# KiCad board artix-dc-scm.kicad_pcb (continued)
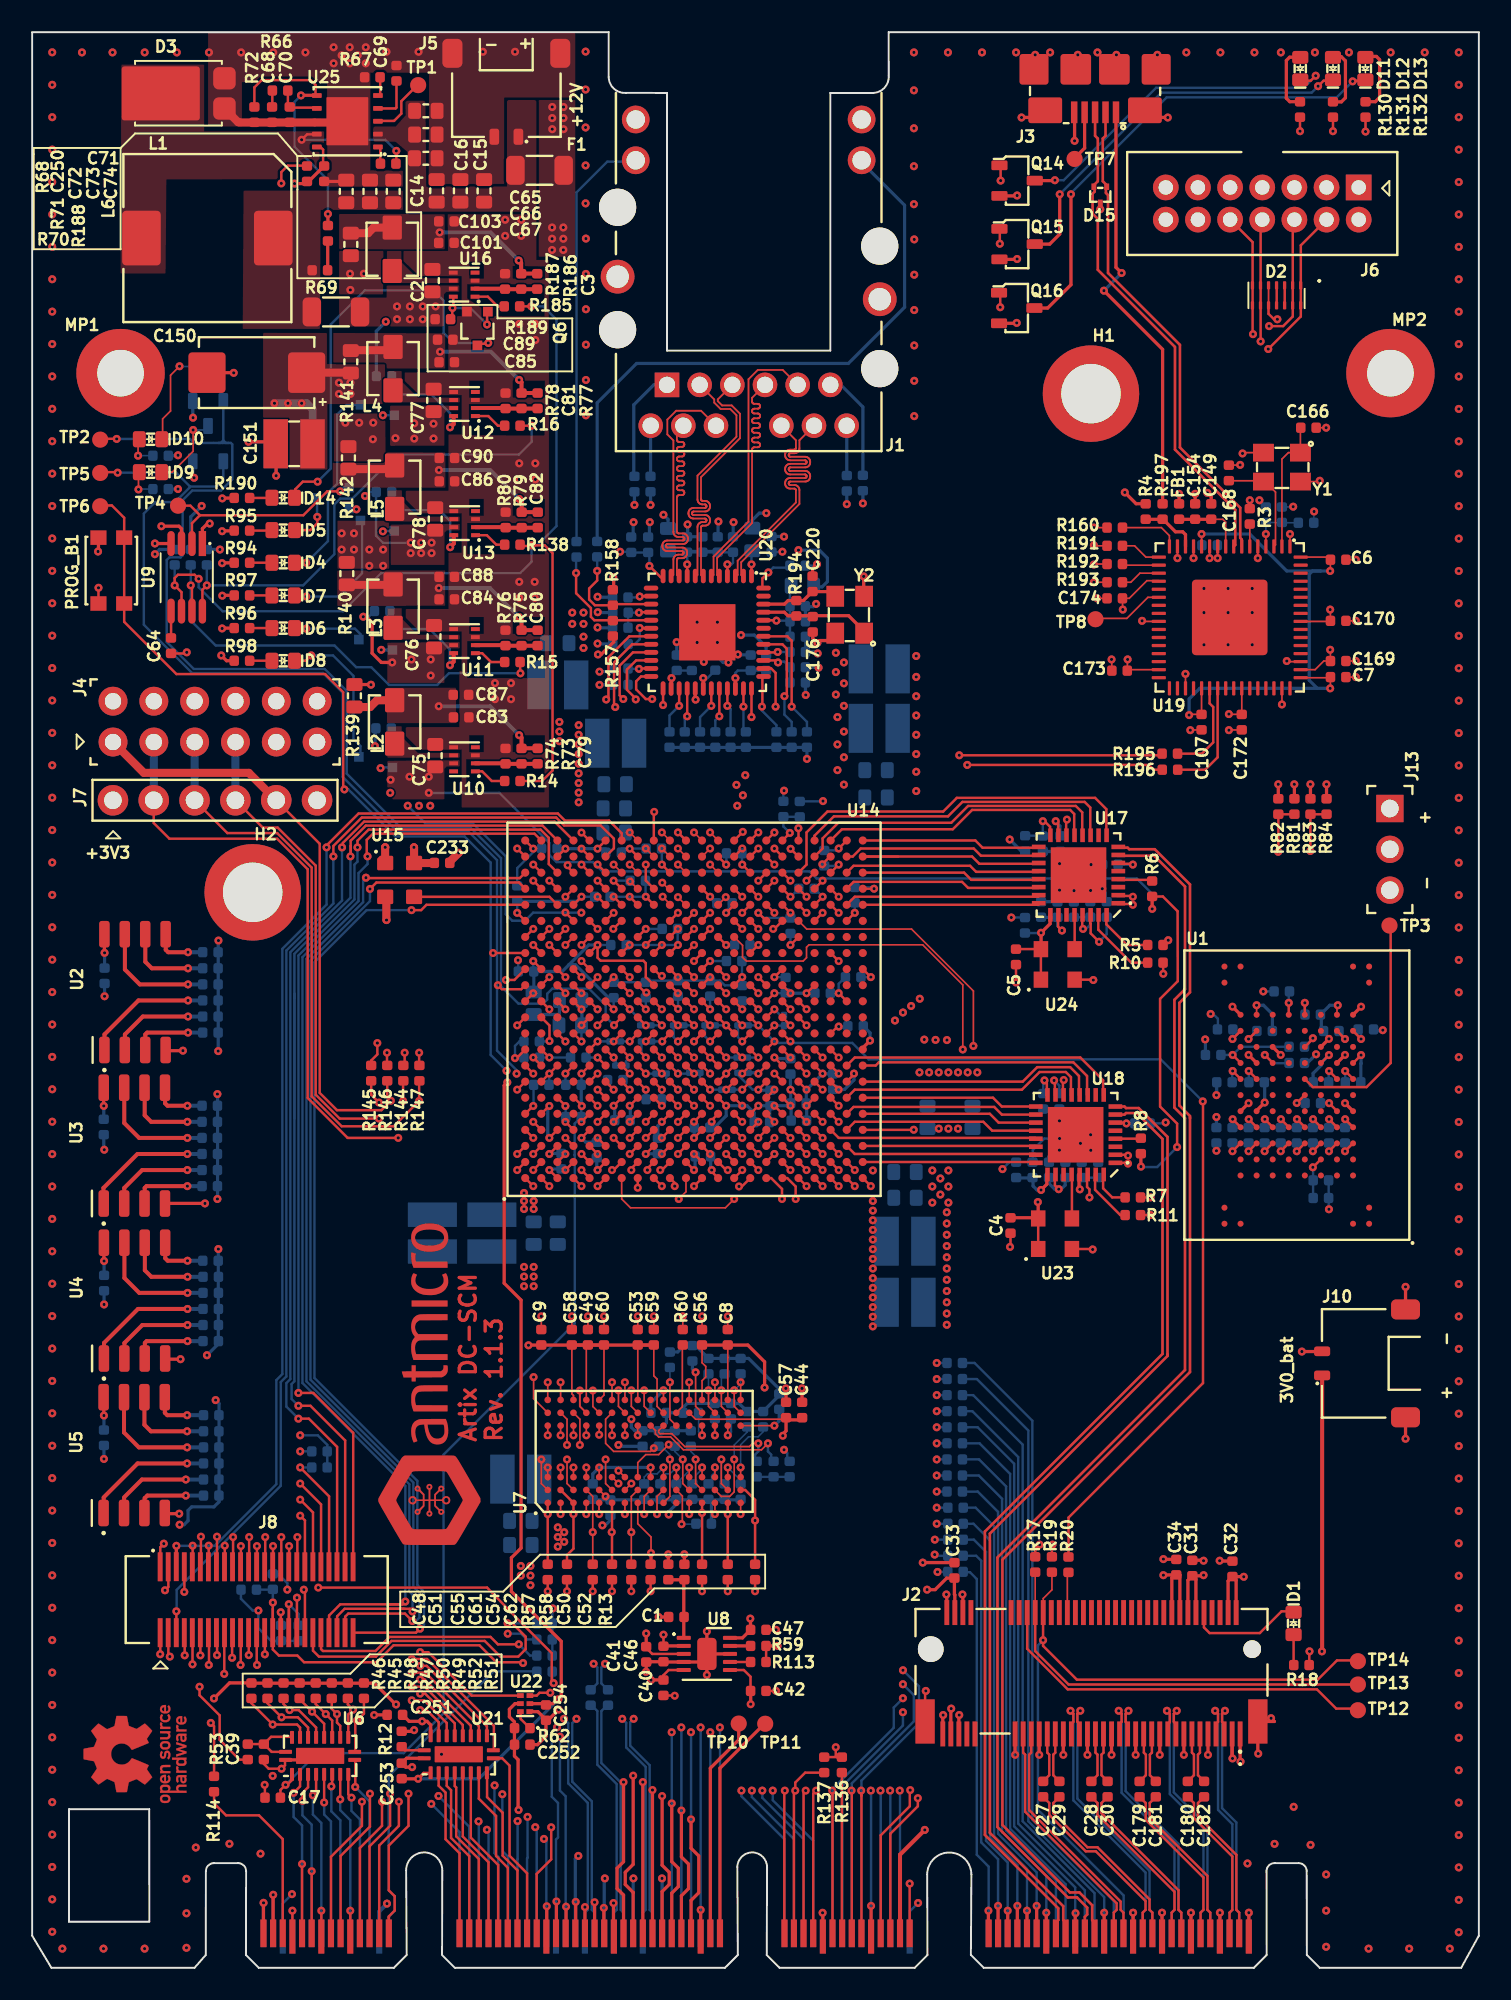
[diagram p0: board, top side]
## Routing (per net, layer and track width the routed paths; a pad name or vN(x,y) marks a point on that pad's centre or on a via; arc(x,y) is an arc through that point) (continued)
DDR3_A6: length 24.6
  Top w0.1: U7.R8 42.87,34.93 v2(42.87,35.93)
  Top w0.15: 42.68,51.12 v3(43.18,51.63)
  In2.Cu w0.1: v2(42.87,35.93) 42.87,36.52 43.08,36.72 43.08,39.02 42.87,39.23 42.87,39.83 42.87,39.85 42.87,39.87 42.85,39.89 42.84,39.9 42.82,39.92 42.8,39.92 42.75,39.93 42.73,39.93 42.72,39.95 42.7,39.96 42.69,39.98 42.68,40 42.68,40.03 42.68,40.05 42.69,40.07 42.7,40.09 42.72,40.1 42.73,40.12 42.75,40.12 42.78,40.12 42.97,40.12 43,40.13 43.02,40.13 43.03,40.15 43.05,40.16 43.06,40.18 43.07,40.2 43.07,40.23 43.07,40.25 43.06,40.27 43.05,40.29 43.03,40.3 43.02,40.32 43,40.32 42.97,40.33 42.78,40.33 42.75,40.33 42.73,40.33 42.72,40.35 42.7,40.36 42.69,40.38 42.68,40.4 42.68,40.43 42.68,40.45 42.69,40.47 42.7,40.49 42.72,40.5 42.73,40.52 42.75,40.52 42.78,40.53 42.97,40.53 43,40.53 43.02,40.53 43.03,40.55 43.05,40.56 43.06,40.58 43.07,40.6 43.07,40.63 43.07,40.65 43.06,40.67 43.05,40.69 43.03,40.7 43.02,40.72 43,40.72 42.97,40.73 42.78,40.73 42.75,40.73 42.73,40.73 42.72,40.75 42.7,40.76 42.69,40.78 42.68,40.8 42.68,40.83 42.68,40.85 42.69,40.87 42.7,40.89 42.72,40.9 42.73,40.92 42.75,40.92 42.78,40.93 42.97,40.93 43,40.93 43.02,40.93 43.03,40.95 43.05,40.96 43.06,40.98 43.07,41 43.07,41.03 43.07,41.05 43.06,41.07 43.05,41.09 43.03,41.1 43.02,41.12 43,41.12 42.97,41.12 42.78,41.12 42.75,41.13 42.73,41.13 42.72,41.15 42.7,41.16 42.69,41.18 42.68,41.2 42.68,41.23 42.68,41.25 42.69,41.27 42.7,41.29 42.72,41.3 42.73,41.32 42.75,41.32 42.78,41.33 42.97,41.33 43,41.33 43.02,41.33 43.03,41.35 43.05,41.36 43.06,41.38 43.07,41.4 43.07,41.43 43.07,41.45 43.06,41.47 43.05,41.49 43.03,41.5 43.02,41.52 43,41.52 42.97,41.53 42.78,41.53 42.75,41.53 42.73,41.53 42.72,41.55 42.7,41.56 42.69,41.58 42.68,41.6 42.68,41.63 42.68,41.65 42.69,41.67 42.7,41.69 42.72,41.7 42.73,41.72 42.75,41.72 42.78,41.73 42.97,41.73 43,41.73 43.02,41.73 43.03,41.75 43.05,41.76 43.06,41.78 43.07,41.8 43.07,41.83 43.07,41.85 43.06,41.87 43.05,41.89 43.03,41.9 43.02,41.92 43,41.92 42.97,41.93 42.78,41.93 42.75,41.93 42.73,41.93 42.72,41.95 42.7,41.96 42.69,41.98 42.68,42 42.68,42.03 42.68,42.05 42.69,42.07 42.7,42.09 42.72,42.1 42.73,42.12 42.75,42.12 42.78,42.12 42.97,42.12 43,42.13 43.02,42.13 43.03,42.15 43.05,42.16 43.06,42.18 43.07,42.2 43.07,42.23 43.07,42.25 43.06,42.27 43.05,42.29 43.03,42.3 43.02,42.32 43,42.32 42.97,42.33 42.78,42.33 42.75,42.33 42.73,42.33 42.72,42.35 42.7,42.36 42.69,42.38 42.68,42.4 42.68,42.43 42.68,42.45 42.69,42.47 42.7,42.49 42.72,42.5 42.73,42.52 42.75,42.52 42.78,42.53 42.97,42.53 43,42.53 43.02,42.53 43.03,42.55 43.05,42.56 43.06,42.58 43.07,42.6 43.07,42.63 43.07,42.65 43.06,42.67 43.05,42.69 43.03,42.7 43.02,42.72 43,42.72 42.97,42.73 42.78,42.73 42.75,42.73 42.73,42.73 42.72,42.75 42.7,42.76 42.69,42.78 42.68,42.8 42.68,42.83 42.68,42.85 42.69,42.87 42.7,42.89 42.72,42.9 42.73,42.92 42.75,42.92 42.78,42.93 42.97,42.93 43,42.93 43.02,42.93 43.03,42.95 43.05,42.96 43.06,42.98 43.07,43 43.07,43.03 43.07,43.05 43.06,43.07 43.05,43.09 43.03,43.1 43.02,43.12 43,43.12 42.97,43.12 42.87,43.12 42.87,43.13 42.78,43.13 42.75,43.13 42.73,43.14 42.72,43.15 42.7,43.16 42.69,43.18 42.68,43.2 42.68,43.23 42.68,43.25 42.69,43.27 42.7,43.29 42.72,43.31 42.73,43.32 42.75,43.32 42.8,43.33 42.82,43.34 42.84,43.35 42.85,43.36 42.87,43.38 42.87,43.4 42.87,43.43 42.87,48.54 42.88,49.9 42.78,50 42.78,51.23 v3(43.18,51.63)
  Bottom w0.1: v2(42.87,35.93) 42.87,36.74 43.07,36.94
DDR3_A7: length 25.5
  Top w0.1: U7.R2 42.87,30.12 v2(42.87,31.62)
  Top w0.15: 42.68,50.12 43.18,49.62 v3(43.28,49.62)
  In2.Cu w0.1: v3(43.28,49.62) 43.28,49.27 43.27,45.33 43.27,45.3 43.27,45.29 43.26,45.27 43.24,45.25 43.22,45.24 43.2,45.24 43.16,45.23 43.14,45.23 43.13,45.21 43.11,45.2 43.1,45.18 43.1,45.16 43.09,45.14 43.09,45.12 43.1,45.1 43.1,45.09 43.11,45.07 43.13,45.05 43.14,45.04 43.16,45.04 43.18,45.03 43.27,45.03 43.27,45.03 43.46,45.03 43.48,45.02 43.5,45.02 43.52,45 43.53,44.99 43.55,44.97 43.55,44.95 43.56,44.93 43.55,44.9 43.55,44.88 43.53,44.86 43.52,44.85 43.5,44.83 43.48,44.83 43.46,44.83 43.18,44.83 43.16,44.82 43.14,44.82 43.13,44.81 43.11,44.79 43.1,44.77 43.1,44.75 43.09,44.73 43.09,44.72 43.1,44.7 43.1,44.68 43.11,44.66 43.13,44.64 43.14,44.63 43.16,44.63 43.18,44.62 43.46,44.62 43.48,44.62 43.5,44.62 43.52,44.6 43.53,44.59 43.55,44.57 43.55,44.55 43.56,44.53 43.55,44.5 43.55,44.48 43.53,44.46 43.52,44.45 43.5,44.43 43.48,44.43 43.46,44.43 43.18,44.43 43.16,44.42 43.14,44.42 43.13,44.41 43.11,44.39 43.1,44.37 43.1,44.35 43.09,44.33 43.09,44.32 43.1,44.3 43.1,44.28 43.11,44.26 43.13,44.24 43.14,44.23 43.16,44.23 43.18,44.23 43.46,44.23 43.48,44.22 43.5,44.22 43.52,44.2 43.53,44.19 43.55,44.17 43.55,44.15 43.56,44.12 43.55,44.1 43.55,44.08 43.53,44.06 43.52,44.05 43.5,44.03 43.48,44.03 43.46,44.03 43.18,44.03 43.16,44.02 43.14,44.02 43.13,44.01 43.11,43.99 43.1,43.97 43.1,43.95 43.09,43.93 43.09,43.92 43.1,43.9 43.1,43.88 43.11,43.86 43.13,43.84 43.14,43.83 43.16,43.83 43.18,43.83 43.46,43.83 43.48,43.82 43.5,43.82 43.52,43.8 43.53,43.79 43.55,43.77 43.55,43.75 43.56,43.73 43.55,43.7 43.55,43.68 43.53,43.66 43.52,43.65 43.5,43.63 43.48,43.63 43.46,43.62 43.37,43.62 43.35,43.62 43.33,43.62 43.31,43.6 43.3,43.59 43.28,43.57 43.28,43.55 43.27,43.53 43.27,40.21 43.27,35.53 42.87,35.12 v2(42.87,31.62)
  Bottom w0.1: v2(42.87,31.62) 42.87,30.19 42.96,30.11
DDR3_A8: length 24.6
  Top w0.1: U7.T8 43.68,34.93 v2(43.68,35.93)
  Top w0.15: 41.68,54.13 v4(42.18,53.63)
  In5.Cu w0.1: v2(43.68,35.93) 43.68,36.62 43.27,37.03 43.27,51.03 43.28,51.05 43.28,51.07 43.3,51.09 43.31,51.1 43.33,51.12 43.35,51.12 43.37,51.12 43.81,51.12 43.84,51.13 43.86,51.13 43.88,51.15 43.89,51.16 43.9,51.18 43.91,51.2 43.91,51.23 43.91,51.25 43.9,51.27 43.89,51.29 43.88,51.3 43.86,51.32 43.84,51.32 43.81,51.33 43.09,51.33 43.06,51.33 43.04,51.33 43.02,51.35 43.01,51.36 43,51.38 42.99,51.4 42.99,51.43 42.99,51.45 43,51.47 43.01,51.49 43.02,51.5 43.04,51.52 43.06,51.52 43.09,51.53 43.61,51.53 43.64,51.53 43.66,51.53 43.68,51.55 43.69,51.56 43.7,51.58 43.71,51.6 43.71,51.63 43.71,51.65 43.7,51.67 43.69,51.69 43.68,51.7 43.66,51.72 43.64,51.72 43.61,51.73 43.09,51.73 43.06,51.73 43.04,51.73 43.02,51.75 43.01,51.76 43,51.78 42.99,51.8 42.99,51.83 42.99,51.85 43,51.87 43.01,51.89 43.02,51.9 43.04,51.92 43.06,51.92 43.09,51.93 43.18,51.93 43.2,51.93 43.22,51.93 43.24,51.95 43.25,51.96 43.27,51.98 43.27,52 43.27,52.03 43.27,52.53 v4(42.18,53.63)
  Bottom w0.1: v2(43.68,35.93) 44.07,36.33 44.07,36.94
DDR3_A9: length 23.8
  Top w0.1: U7.R3 v2(43.27,31.12)
  Top w0.15: 44.68,49.12 44.16,48.61 v3(43.97,48.61)
  In2.Cu w0.1: v3(43.97,48.61) 43.97,48.25 44.08,48.15 44.07,47.23 43.77,46.93 43.77,46.73 43.77,46.7 43.77,46.68 43.75,46.66 43.74,46.65 43.72,46.63 43.7,46.63 43.68,46.62 43.57,46.62 43.55,46.62 43.53,46.62 43.51,46.6 43.5,46.59 43.48,46.57 43.48,46.55 43.48,46.53 43.48,46.5 43.48,46.48 43.5,46.46 43.51,46.45 43.53,46.43 43.55,46.43 43.57,46.43 44.07,46.43 44.1,46.42 44.12,46.42 44.14,46.4 44.15,46.39 44.17,46.37 44.17,46.35 44.18,46.33 44.17,46.3 44.17,46.28 44.15,46.26 44.14,46.25 44.12,46.23 44.1,46.23 44.07,46.23 43.57,46.23 43.55,46.22 43.53,46.22 43.51,46.2 43.5,46.19 43.48,46.17 43.48,46.15 43.48,46.12 43.48,46.1 43.48,46.08 43.5,46.06 43.51,46.05 43.53,46.03 43.55,46.03 43.57,46.03 44.07,46.03 44.1,46.02 44.12,46.02 44.14,46 44.15,45.99 44.17,45.97 44.17,45.95 44.18,45.93 44.17,45.9 44.17,45.88 44.15,45.86 44.14,45.85 44.12,45.83 44.1,45.83 44.07,45.83 43.57,45.83 43.55,45.82 43.53,45.82 43.51,45.8 43.5,45.79 43.48,45.77 43.48,45.75 43.48,45.73 43.48,45.7 43.48,45.68 43.5,45.66 43.51,45.65 43.53,45.63 43.55,45.63 43.57,45.62 43.68,45.62 43.7,45.62 43.72,45.62 43.74,45.6 43.75,45.59 43.77,45.57 43.77,45.55 43.77,45.53 43.77,38.62 44.07,38.33 44.07,38.17 44.07,32.73 43.27,31.93 v2(43.27,31.12)
  Bottom w0.1: v2(43.27,31.12) 44.07,30.33 44.07,30.11
DDR3_A10: length 25.7
  Top w0.1: v2(39.68,36.43) 39.68,34.12 U7.L7
  Top w0.15: U14.L5 v4(40.18,52.63)
  In5.Cu w0.1: v4(40.18,52.63) 39.68,52.13 39.68,51.12 39.68,51.1 39.68,51.08 39.7,51.06 39.71,51.05 39.73,51.03 39.75,51.03 39.77,51.03 40.26,51.03 40.28,51.02 40.3,51.02 40.32,51 40.34,50.99 40.35,50.97 40.36,50.95 40.36,50.93 40.36,50.9 40.35,50.88 40.34,50.86 40.32,50.85 40.3,50.83 40.28,50.83 40.26,50.83 39.77,50.83 39.75,50.82 39.73,50.82 39.71,50.8 39.7,50.79 39.68,50.77 39.68,50.75 39.68,50.73 39.68,50.7 39.68,50.68 39.7,50.66 39.71,50.65 39.73,50.63 39.75,50.63 39.77,50.62 40.26,50.62 40.28,50.62 40.3,50.62 40.32,50.6 40.34,50.59 40.35,50.57 40.36,50.55 40.36,50.53 40.36,50.5 40.35,50.48 40.34,50.46 40.32,50.45 40.3,50.43 40.28,50.43 40.26,50.43 39.77,50.43 39.75,50.42 39.73,50.42 39.71,50.4 39.7,50.39 39.68,50.37 39.68,50.35 39.68,50.33 39.68,50.3 39.68,50.28 39.7,50.26 39.71,50.25 39.73,50.23 39.75,50.23 39.77,50.23 40.26,50.23 40.28,50.22 40.3,50.22 40.32,50.2 40.34,50.19 40.35,50.17 40.36,50.15 40.36,50.12 40.36,50.1 40.35,50.08 40.34,50.06 40.32,50.05 40.3,50.03 40.28,50.03 40.26,50.03 39.77,50.03 39.75,50.02 39.73,50.02 39.71,50 39.7,49.99 39.68,49.97 39.68,49.95 39.68,49.93 39.68,49.9 39.68,49.88 39.7,49.86 39.71,49.85 39.73,49.83 39.75,49.83 39.77,49.83 40.26,49.83 40.28,49.82 40.3,49.82 40.32,49.8 40.34,49.79 40.35,49.77 40.36,49.75 40.36,49.73 40.36,49.7 40.35,49.68 40.34,49.66 40.32,49.65 40.3,49.63 40.28,49.63 40.26,49.62 39.77,49.62 39.75,49.62 39.73,49.62 39.71,49.6 39.7,49.59 39.68,49.57 39.68,49.55 39.68,49.53 v2(39.68,36.43)
  Bottom w0.1: v2(39.68,36.43) 39.68,37.34
DDR3_A11: length 23.6
  Top w0.1: U7.R7 v2(43.27,33.12)
  Top w0.15: v4(42.28,52.63) 42.28,52.73 42.68,53.13
  In5.Cu w0.1: v2(43.27,33.12) 43.27,36.62 42.68,37.22 42.68,50.52 42.68,50.55 42.68,50.57 42.7,50.59 42.71,50.6 42.73,50.62 42.75,50.62 42.78,50.62 42.84,50.62 42.87,50.63 42.89,50.63 42.91,50.65 42.92,50.66 42.94,50.68 42.94,50.7 42.94,50.72 42.94,50.75 42.94,50.77 42.92,50.79 42.91,50.8 42.89,50.82 42.87,50.82 42.84,50.82 42.26,50.82 42.23,50.83 42.21,50.83 42.19,50.85 42.18,50.86 42.17,50.88 42.16,50.9 42.16,50.92 42.16,50.95 42.17,50.97 42.18,50.99 42.19,51 42.21,51.02 42.23,51.02 42.26,51.02 42.58,51.02 42.6,51.03 42.62,51.03 42.64,51.05 42.65,51.06 42.67,51.08 42.67,51.1 42.68,51.12 42.68,52.22 v4(42.28,52.63)
  Bottom w0.15: v2(43.27,33.12) 43.48,33.33 43.48,34.14
DDR3_A12: length 24
  Top w0.1: 41.68,33.73 41.68,33.13 v2(41.68,33.12)
  Top w0.15: 42.68,52.13 v3(42.18,51.63)
  In2.Cu w0.1: v2(41.68,33.12) 42.48,33.92 42.48,36.53 42.88,36.93 42.88,38.36 42.48,38.76 42.48,43.73 42.48,43.75 42.48,43.77 42.5,43.79 42.51,43.8 42.53,43.81 42.55,43.82 42.59,43.83 42.62,43.83 42.63,43.84 42.65,43.86 42.66,43.88 42.67,43.9 42.67,43.92 42.67,43.93 42.67,43.95 42.66,43.97 42.65,43.99 42.63,44 42.62,44.01 42.59,44.02 42.57,44.02 42.48,44.02 42.48,44.03 42.38,44.03 42.36,44.03 42.33,44.03 42.32,44.05 42.3,44.06 42.29,44.08 42.28,44.1 42.28,44.12 42.28,44.13 42.28,44.15 42.29,44.17 42.3,44.19 42.32,44.2 42.33,44.22 42.36,44.22 42.38,44.23 42.57,44.23 42.59,44.23 42.62,44.23 42.63,44.25 42.65,44.26 42.66,44.28 42.67,44.3 42.67,44.32 42.67,44.33 42.67,44.35 42.66,44.37 42.65,44.39 42.63,44.4 42.62,44.42 42.59,44.42 42.57,44.43 42.38,44.43 42.36,44.43 42.33,44.43 42.32,44.45 42.3,44.46 42.29,44.48 42.28,44.5 42.28,44.52 42.28,44.53 42.28,44.55 42.29,44.57 42.3,44.59 42.32,44.6 42.33,44.62 42.36,44.62 42.38,44.62 42.57,44.62 42.59,44.63 42.62,44.63 42.63,44.65 42.65,44.66 42.66,44.68 42.67,44.7 42.67,44.72 42.67,44.73 42.67,44.75 42.66,44.77 42.65,44.79 42.63,44.8 42.62,44.82 42.59,44.82 42.57,44.83 42.38,44.83 42.36,44.83 42.33,44.83 42.32,44.85 42.3,44.86 42.29,44.88 42.28,44.9 42.28,44.92 42.28,44.93 42.28,44.95 42.29,44.97 42.3,44.99 42.32,45 42.33,45.02 42.36,45.02 42.4,45.03 42.42,45.03 42.44,45.05 42.45,45.06 42.47,45.08 42.47,45.1 42.48,45.12 42.48,48.43 42.68,48.63 42.68,49.82 42.58,49.92 42.57,51.23 v3(42.18,51.63)
  Bottom w0.1: v2(41.68,33.12) 41.46,33.34 41.46,34.53
DDR3_A13: length 26
  Top w0.1: U7.T3 v2(44.07,31.12)
  Top w0.15: 43.68,50.12 v3(43.18,50.62)
  In2.Cu w0.1: v2(44.07,31.12) 44.68,31.73 44.68,46.23 44.67,46.24 44.67,46.25 44.66,46.26 44.66,46.26 44.65,46.27 44.64,46.27 44.61,46.28 44.6,46.28 44.59,46.29 44.59,46.29 44.58,46.3 44.58,46.31 44.57,46.33 44.57,46.43 44.58,46.44 44.58,46.45 44.59,46.46 44.59,46.46 44.6,46.47 44.61,46.47 44.62,46.48 44.75,46.48 44.76,46.48 44.78,46.48 44.79,46.49 44.8,46.5 44.81,46.52 44.82,46.53 44.82,46.55 44.82,46.6 44.82,46.62 44.81,46.63 44.8,46.65 44.79,46.66 44.78,46.67 44.76,46.67 44.75,46.68 44.62,46.68 44.61,46.68 44.6,46.68 44.59,46.69 44.59,46.69 44.58,46.7 44.58,46.71 44.57,46.73 44.57,46.83 44.58,46.84 44.58,46.85 44.59,46.86 44.59,46.86 44.6,46.87 44.61,46.87 44.64,46.88 44.65,46.88 44.66,46.89 44.66,46.89 44.67,46.9 44.67,46.91 44.68,46.93 44.68,47.12 44.57,47.23 44.57,49.83 43.77,50.62 v3(43.18,50.62)
  Bottom w0.1: 45.48,33.64 45.48,33.34 45.16,33.03 44.57,33.03 44.07,32.54 v2(44.07,31.12)
DDR3_A14: length 26.6
  Top w0.1: U7.T7 45.97,33.73
  Top w0.15: 43.68,54.13 v4(44.18,53.63)
  In5.Cu w0.1: 45.07,49.74 45.07,34.22 45.57,33.73 45.97,33.73 ; v4(44.18,53.63) 45.07,52.73 45.07,50.33 45.07,50.3 45.07,50.28 45.05,50.26 45.04,50.25 45.02,50.23 45,50.23 44.98,50.23 44.95,50.23 44.93,50.22 44.91,50.22 44.89,50.2 44.88,50.19 44.86,50.17 44.86,50.15 44.85,50.12 44.86,50.1 44.86,50.08 44.88,50.06 44.89,50.05 44.91,50.03 44.93,50.03 44.95,50.03 45.85,50.03 45.87,50.02 45.89,50.02 45.91,50 45.92,49.99 45.94,49.97 45.94,49.95 45.95,49.93 45.94,49.9 45.94,49.88 45.92,49.86 45.91,49.85 45.89,49.83 45.87,49.83 45.85,49.83 45.18,49.83 45.15,49.82 45.13,49.82 45.11,49.8 45.1,49.79 45.08,49.77 45.08,49.75 45.07,49.73
  Bottom w0.2: v2(46.18,33.73) 46.48,34.03 46.48,34.74
DDR3_BA0: length 25
  Top w0.1: v2(40.48,31.62) 40.48,30.12 U7.M2
  Top w0.15: U14.L3 v3(40.18,50.62)
  In2.Cu w0.1: v3(40.18,50.62) 40.57,50.23 40.57,50.2 40.57,50.18 40.55,50.16 40.54,50.15 40.52,50.13 40.5,50.13 40.47,50.13 40.13,50.13 40.11,50.12 40.09,50.12 40.07,50.1 40.06,50.09 40.04,50.07 40.04,50.05 40.03,50.03 40.04,50 40.04,49.98 40.06,49.96 40.07,49.95 40.09,49.93 40.11,49.93 40.13,49.93 40.47,49.93 40.5,49.92 40.52,49.92 40.54,49.9 40.55,49.89 40.57,49.87 40.57,49.85 40.57,49.83 40.57,49.8 40.57,49.78 40.55,49.76 40.54,49.75 40.52,49.73 40.5,49.73 40.47,49.73 40.13,49.73 40.11,49.72 40.09,49.72 40.07,49.7 40.06,49.69 40.04,49.67 40.04,49.65 40.03,49.63 40.04,49.6 40.04,49.58 40.06,49.56 40.07,49.55 40.09,49.53 40.11,49.53 40.13,49.53 40.47,49.53 40.5,49.52 40.52,49.52 40.54,49.5 40.55,49.49 40.57,49.47 40.57,49.45 40.57,49.43 40.57,48.29 40.77,48.09 40.77,47.52 40.48,47.23 v2(40.48,31.62)
  Bottom w0.1: v2(40.48,31.62) 39.98,32.12 39.98,32.44
DDR3_BA1: length 25.4
  Top w0.1: v2(41.28,37.04) 41.28,34.92 41.68,34.53
  Top w0.15: U14.K6 v4(40.18,53.63)
  In5.Cu w0.1: v2(41.28,37.04) 40.98,37.34 40.98,48.43 40.7,48.7 40.7,51 40.7,51.02 40.71,51.04 40.72,51.06 40.74,51.08 40.76,51.09 40.78,51.1 40.8,51.1 40.89,51.1 40.91,51.1 40.93,51.11 40.95,51.12 40.96,51.14 40.98,51.16 40.98,51.18 40.99,51.2 40.98,51.22 40.98,51.24 40.96,51.26 40.95,51.28 40.93,51.29 40.91,51.3 40.89,51.3 40.01,51.3 39.99,51.3 39.97,51.31 39.95,51.32 39.94,51.34 39.92,51.36 39.92,51.38 39.91,51.4 39.92,51.42 39.92,51.44 39.94,51.46 39.95,51.48 39.97,51.49 39.99,51.5 40.01,51.5 40.6,51.5 40.62,51.5 40.64,51.51 40.66,51.52 40.68,51.54 40.69,51.56 40.7,51.58 40.7,51.6 40.7,51.62 40.69,51.64 40.68,51.66 40.66,51.68 40.64,51.69 40.62,51.7 40.6,51.7 40.01,51.7 39.99,51.7 39.97,51.71 39.95,51.72 39.94,51.74 39.92,51.76 39.92,51.78 39.91,51.8 39.92,51.82 39.92,51.84 39.94,51.86 39.95,51.88 39.97,51.89 39.99,51.9 40.01,51.9 40.79,51.9 40.81,51.9 40.83,51.91 40.85,51.92 40.87,51.94 40.88,51.95 40.88,51.97 40.89,51.99 40.89,52.01 40.88,52.03 40.88,52.05 40.87,52.06 40.85,52.08 40.83,52.09 40.81,52.1 40.79,52.1 40.46,52.1 40.44,52.1 40.42,52.11 40.4,52.12 40.39,52.14 40.37,52.16 40.37,52.18 40.36,52.2 40.37,52.22 40.37,52.24 40.39,52.26 40.4,52.28 40.42,52.29 40.44,52.3 40.46,52.3 40.6,52.3 40.62,52.3 40.64,52.31 40.66,52.32 40.68,52.34 40.69,52.36 40.7,52.38 40.7,52.4 40.7,53.1 v4(40.18,53.63)
  Bottom w0.2: 41.07,37.74 41.07,37.24 v2(41.28,37.04)
DDR3_BA2: length 23.9
  Top w0.1: U7.M3 v2(40.87,31.12)
  Top w0.15: U14.L4 v3(40.18,51.63)
  In2.Cu w0.1: v2(40.87,31.12) 40.87,31.9 40.68,32.1 40.68,40.73 40.98,41.03 40.98,46.86 40.97,46.88 40.97,46.9 40.96,46.91 40.94,46.93 40.93,46.94 40.91,46.94 40.87,46.95 40.86,46.95 40.84,46.96 40.83,46.97 40.82,46.99 40.81,47.01 40.81,47.03 40.81,47.06 40.81,47.08 40.82,47.1 40.83,47.11 40.84,47.13 40.86,47.14 40.87,47.14 40.91,47.15 40.93,47.15 40.94,47.16 40.96,47.17 40.97,47.19 40.97,47.21 40.98,47.23 40.98,48.18 40.77,48.38 40.77,51.03 v3(40.18,51.63)
  Bottom w0.1: 40.07,30.12 40.87,30.93 v2(40.87,31.12)
DDR3_CAS: length 23.4
  Top w0.1: U7.K3 v2(39.27,31.12)
  Top w0.15: U14.K3 39.18,50.62 v3(39.17,50.62)
  In2.Cu w0.1: 39.07,50.62 38.67,50.22 38.67,49.43 38.27,49.03 38.27,32.12 v2(39.27,31.12)
  Bottom w0.1: 38.07,30.11 38.07,30.53 38.27,30.73 38.87,30.73 v2(39.27,31.12)
DDR3_CKE: length 21
  Top w0.1: U7.K9 v2(39.27,35.93)
  Top w0.15: U14.J6 v4(39.18,53.63)
  In5.Cu w0.1: v4(39.18,53.63) 39.57,53.23 39.57,52.31 39.47,52.21 39.47,49.12 39.27,48.93 v2(39.27,35.93)
  Bottom w0.2: v2(39.27,35.93) 38.49,35.14 38.49,34.53
DDR3_CLK_N: length 28.6
  Top w0.1: U7.K7 38.98,33.43 38.98,33.31 39.06,33.23 39.8,33.23 40.6,32.43 44.62,32.43 44.82,32.62 v2(45.18,32.62)
  Top w0.15: 43.68,52.13 v4(44.18,51.63)
  In5.Cu w0.1: v2(45.18,32.62) 45.27,32.73 45.27,33.23 44.48,34.03 44.48,37.43 44.18,37.73 v4(44.18,51.63)
  Bottom w0.15: 44.97,31.51 44.97,31.93 45.18,32.13 v2(45.18,32.62)
DDR3_CLK_P: length 31
  Top w0.1: U7.J7 38.77,33.43 38.77,33.23 38.98,33.03 39.72,33.03 40.52,32.23 45.38,32.23 v2(45.78,32.62)
  Top w0.15: 43.68,53.13 v4(44.18,52.63)
  In5.Cu w0.1: v2(45.78,32.62) 45.53,32.87 45.53,33.27 45.48,33.33 44.68,34.11 44.68,37.51 44.38,37.81 44.38,51.13 44.68,51.43 44.68,52.12 v4(44.18,52.63)
  Bottom w0.15: v2(45.78,32.62) 45.78,32.12 45.97,31.93 45.97,31.51
DDR3_CS: length 3.2
  Top w0.1: v2(40.4,27.6) 40.45,27.65 40.45,29.35 U7.L2
  Bottom w0.1: v2(40.4,27.6) 41.26,27.6 41.29,27.62
DDR3_DM0: length 20.1
  Top w0.1: U7.E7 v3(35.27,33.16)
  Top w0.15: U14.G3 v3(36.18,51.63)
  In2.Cu w0.1: v3(36.18,51.63) 35.57,51.03 35.57,34.03 U7.E7 v3(35.27,33.16)
DDR3_DM1: length 19.1
  Top w0.1: U7.D3 v3(34.48,31.12)
  Top w0.15: U14.F1 v3(35.18,48.62)
  In2.Cu w0.1: v3(34.48,31.12) 34.48,32.43 34.87,32.83 34.87,33.73 35.18,34.03 v3(35.18,48.62)
DDR3_DQ0: length 25
  Top w0.1: U7.E3 v3(35.27,31.12)
  Top w0.15: v3(36.07,49.62) 36.18,49.62 U14.G2
  In2.Cu w0.1: v3(35.27,31.12) 35.27,32.33 35.68,32.73 35.68,33.73 36.07,34.12 36.07,46.28 36.08,46.3 36.08,46.32 36.1,46.34 36.11,46.35 36.13,46.36 36.15,46.37 36.19,46.37 36.21,46.38 36.23,46.39 36.25,46.41 36.26,46.43 36.26,46.45 36.27,46.47 36.27,46.48 36.26,46.5 36.26,46.52 36.25,46.54 36.23,46.55 36.21,46.56 36.19,46.57 36.17,46.57 35.93,46.57 35.91,46.57 35.89,46.58 35.87,46.59 35.86,46.61 35.84,46.63 35.84,46.65 35.83,46.67 35.84,46.69 35.84,46.71 35.86,46.73 35.87,46.75 35.89,46.76 35.91,46.77 35.93,46.77 36.17,46.77 36.19,46.77 36.21,46.78 36.23,46.79 36.25,46.81 36.26,46.83 36.26,46.85 36.27,46.87 36.27,46.88 36.26,46.9 36.26,46.92 36.25,46.94 36.23,46.95 36.21,46.96 36.19,46.97 36.17,46.97 35.93,46.97 35.91,46.97 35.89,46.98 35.87,46.99 35.86,47.01 35.84,47.03 35.84,47.05 35.83,47.07 35.84,47.09 35.84,47.11 35.86,47.13 35.87,47.15 35.89,47.16 35.91,47.17 35.93,47.17 36.17,47.17 36.19,47.17 36.21,47.18 36.23,47.19 36.25,47.21 36.26,47.23 36.26,47.25 36.27,47.27 36.27,47.28 36.26,47.3 36.26,47.32 36.25,47.34 36.23,47.35 36.21,47.36 36.19,47.37 36.17,47.37 35.93,47.37 35.91,47.37 35.89,47.38 35.87,47.39 35.86,47.41 35.84,47.43 35.84,47.45 35.83,47.47 35.84,47.49 35.84,47.51 35.86,47.53 35.87,47.55 35.89,47.56 35.91,47.57 35.93,47.57 36.17,47.57 36.19,47.57 36.21,47.58 36.23,47.59 36.25,47.61 36.26,47.63 36.26,47.65 36.27,47.67 36.27,47.68 36.26,47.7 36.26,47.72 36.25,47.74 36.23,47.75 36.21,47.76 36.19,47.77 36.17,47.77 35.93,47.77 35.91,47.77 35.89,47.78 35.87,47.79 35.86,47.81 35.84,47.83 35.84,47.85 35.83,47.87 35.84,47.89 35.84,47.91 35.86,47.93 35.87,47.95 35.89,47.96 35.91,47.97 35.93,47.97 36.17,47.97 36.19,47.97 36.21,47.98 36.23,47.99 36.25,48.01 36.26,48.03 36.26,48.05 36.27,48.07 36.27,48.08 36.26,48.1 36.26,48.12 36.25,48.14 36.23,48.15 36.21,48.16 36.19,48.17 36.17,48.17 35.93,48.17 35.91,48.17 35.89,48.18 35.87,48.19 35.86,48.21 35.84,48.23 35.84,48.25 35.83,48.27 35.84,48.29 35.84,48.31 35.86,48.33 35.87,48.35 35.89,48.36 35.91,48.37 35.93,48.37 36.17,48.37 36.19,48.37 36.21,48.38 36.23,48.39 36.25,48.41 36.26,48.43 36.26,48.45 36.27,48.47 36.27,48.48 36.26,48.5 36.26,48.52 36.25,48.54 36.23,48.55 36.21,48.56 36.19,48.57 36.17,48.57 35.93,48.57 35.91,48.57 35.89,48.58 35.87,48.59 35.86,48.61 35.84,48.63 35.84,48.65 35.83,48.67 35.84,48.69 35.84,48.71 35.86,48.73 35.87,48.75 35.89,48.76 35.91,48.77 35.93,48.77 36.17,48.77 36.19,48.77 36.21,48.78 36.23,48.79 36.25,48.81 36.26,48.83 36.26,48.85 36.27,48.87 36.27,48.88 36.26,48.9 36.26,48.92 36.25,48.94 36.23,48.95 36.21,48.96 36.19,48.97 36.17,48.97 35.93,48.97 35.91,48.97 35.89,48.98 35.87,48.99 35.86,49.01 35.84,49.03 35.84,49.05 35.83,49.07 35.84,49.09 35.84,49.11 35.86,49.13 35.87,49.15 35.89,49.16 35.91,49.17 35.93,49.17 35.97,49.17 36,49.17 36.02,49.18 36.04,49.19 36.05,49.21 36.07,49.23 36.07,49.25 36.07,49.27 v3(36.07,49.62)
DDR3_DQ1: length 25.1
  Top w0.1: U7.F7 v3(36.07,33.12)
  Top w0.15: U14.H4 v3(37.18,51.63)
  In2.Cu w0.1: v3(37.18,51.63) 36.48,50.93 36.48,46.03 36.47,46 36.47,45.98 36.45,45.96 36.44,45.95 36.42,45.94 36.4,45.93 36.36,45.92 36.33,45.92 36.32,45.91 36.3,45.89 36.29,45.87 36.28,45.85 36.28,45.83 36.28,45.83 36.28,45.8 36.29,45.78 36.3,45.76 36.32,45.75 36.33,45.74 36.36,45.73 36.38,45.73 36.48,45.73 36.48,45.73 36.52,45.73 36.54,45.72 36.55,45.72 36.56,45.71 36.56,45.71 36.57,45.7 36.57,45.69 36.57,45.68 36.57,45.58 36.57,45.56 36.57,45.55 36.56,45.54 36.56,45.54 36.55,45.53 36.54,45.53 36.52,45.53 36.38,45.53 36.36,45.52 36.33,45.52 36.32,45.5 36.3,45.49 36.29,45.47 36.28,45.45 36.28,45.43 36.28,45.42 36.28,45.4 36.29,45.38 36.3,45.36 36.32,45.35 36.33,45.33 36.36,45.33 36.38,45.33 36.52,45.33 36.54,45.32 36.55,45.32 36.56,45.31 36.56,45.31 36.57,45.3 36.57,45.29 36.57,45.28 36.57,45.18 36.57,45.16 36.57,45.15 36.56,45.14 36.56,45.14 36.55,45.13 36.54,45.13 36.52,45.12 36.38,45.12 36.36,45.12 36.33,45.12 36.32,45.1 36.3,45.09 36.29,45.07 36.28,45.05 36.28,45.03 36.28,45.02 36.28,45 36.29,44.98 36.3,44.96 36.32,44.95 36.33,44.93 36.36,44.93 36.38,44.93 36.52,44.93 36.54,44.92 36.55,44.92 36.56,44.91 36.56,44.91 36.57,44.9 36.57,44.89 36.57,44.88 36.57,44.78 36.57,44.76 36.57,44.75 36.56,44.74 36.56,44.74 36.55,44.73 36.54,44.73 36.52,44.73 36.38,44.73 36.36,44.72 36.33,44.72 36.32,44.7 36.3,44.69 36.29,44.67 36.28,44.65 36.28,44.63 36.28,44.62 36.28,44.6 36.29,44.58 36.3,44.56 36.32,44.55 36.33,44.53 36.36,44.53 36.38,44.53 36.52,44.53 36.54,44.52 36.55,44.52 36.56,44.51 36.56,44.51 36.57,44.5 36.57,44.49 36.57,44.48 36.57,44.38 36.57,44.36 36.57,44.35 36.56,44.34 36.56,44.34 36.55,44.33 36.54,44.33 36.52,44.33 36.38,44.33 36.36,44.32 36.33,44.32 36.32,44.3 36.3,44.29 36.29,44.27 36.28,44.25 36.28,44.23 36.28,44.22 36.28,44.2 36.29,44.18 36.3,44.16 36.32,44.15 36.33,44.13 36.36,44.13 36.38,44.12 36.52,44.12 36.54,44.12 36.55,44.12 36.56,44.11 36.56,44.11 36.57,44.1 36.57,44.09 36.57,44.08 36.57,43.98 36.57,43.96 36.57,43.95 36.56,43.94 36.56,43.94 36.55,43.93 36.54,43.93 36.52,43.93 36.38,43.93 36.36,43.92 36.33,43.92 36.32,43.9 36.3,43.89 36.29,43.87 36.28,43.85 36.28,43.83 36.28,43.82 36.28,43.8 36.29,43.78 36.3,43.76 36.32,43.75 36.33,43.73 36.36,43.73 36.38,43.73 36.52,43.73 36.54,43.72 36.55,43.72 36.56,43.71 36.56,43.71 36.57,43.7 36.57,43.69 36.57,43.68 36.57,43.58 36.57,43.56 36.57,43.55 36.56,43.54 36.56,43.54 36.55,43.53 36.54,43.53 36.52,43.53 36.38,43.53 36.36,43.52 36.33,43.52 36.32,43.5 36.3,43.49 36.29,43.47 36.28,43.45 36.28,43.43 36.28,43.42 36.28,43.4 36.29,43.38 36.3,43.36 36.32,43.35 36.33,43.33 36.36,43.33 36.38,43.33 36.52,43.33 36.54,43.32 36.55,43.32 36.56,43.31 36.56,43.31 36.57,43.3 36.57,43.29 36.57,43.28 36.57,43.18 36.57,43.16 36.57,43.15 36.56,43.14 36.56,43.14 36.55,43.13 36.54,43.13 36.52,43.12 36.38,43.12 36.36,43.12 36.33,43.12 36.32,43.1 36.3,43.09 36.29,43.07 36.28,43.05 36.28,43.03 36.28,43.02 36.28,43 36.29,42.98 36.3,42.96 36.32,42.95 36.33,42.93 36.36,42.93 36.38,42.93 36.52,42.93 36.54,42.92 36.55,42.92 36.56,42.91 36.56,42.91 36.57,42.9 36.57,42.89 36.57,42.88 36.57,42.78 36.57,42.76 36.57,42.75 36.56,42.74 36.56,42.74 36.55,42.73 36.54,42.73 36.52,42.73 36.38,42.73 36.36,42.72 36.33,42.72 36.32,42.7 36.3,42.69 36.29,42.67 36.28,42.65 36.28,42.63 36.28,42.62 36.28,42.6 36.29,42.58 36.3,42.56 36.32,42.55 36.33,42.53 36.36,42.53 36.38,42.53 36.52,42.53 36.54,42.52 36.55,42.52 36.56,42.51 36.56,42.51 36.57,42.5 36.57,42.49 36.57,42.48 36.57,42.38 36.57,42.36 36.57,42.35 36.56,42.34 36.56,42.34 36.55,42.33 36.54,42.33 36.52,42.33 36.38,42.33 36.36,42.32 36.33,42.32 36.32,42.3 36.3,42.29 36.29,42.27 36.28,42.25 36.28,42.23 36.28,42.22 36.28,42.2 36.29,42.18 36.3,42.16 36.32,42.15 36.33,42.13 36.36,42.13 36.38,42.12 36.52,42.12 36.54,42.12 36.55,42.12 36.56,42.11 36.56,42.11 36.57,42.1 36.57,42.09 36.57,42.08 36.57,41.98 36.57,41.96 36.57,41.95 36.56,41.94 36.56,41.94 36.55,41.93 36.54,41.93 36.52,41.93 36.38,41.93 36.36,41.92 36.33,41.92 36.32,41.9 36.3,41.89 36.29,41.87 36.28,41.85 36.28,41.83 36.28,41.82 36.28,41.8 36.29,41.78 36.3,41.76 36.32,41.75 36.33,41.73 36.36,41.73 36.4,41.72 36.42,41.72 36.44,41.7 36.45,41.69 36.47,41.67 36.47,41.65 36.48,41.63 36.48,34.12 U7.F7 v3(36.07,33.12)
